# KiCad board gf-ace-boards.kicad_pcb

Outline 76.62 x 36.45 mm; copper layers: Top, Bottom. Coordinates in mm from the lower left corner of the outline.
Outline path: circle c9.27,6.1 r1.37 ; circle c11.94,30.35 r1.91 ; circle c24.13,32.64 r1.31 ; circle c39.24,28.45 r2.64 ; circle c57.28,12.32 r2.54 ; circle c57.66,27.69 r1.25 ; circle c62.36,2.16 r1.3 ; 0,15.62 0,8.51 0.13,8.13 0.51,7.75 1.65,7.24 2.41,7.11 3.05,6.98 3.18,6.6 3.3,5.84 3.56,5.33 3.94,4.83 4.57,4.32 55.37,3.68 55.63,3.81 55.75,4.06 55.75,8.89 55.88,9.14 56.13,9.27 59.58,9.27 59.81,9.21 60.06,9.09 60.16,9 60.2,8.89 60.2,0.63 60.33,0.38 60.58,0.13 60.96,0 69.34,0 69.72,0.13 69.98,0.38 69.98,3.3 70.23,3.56 70.61,3.81 71.03,3.88 75.35,3.88 75.81,4.08 76.15,4.31 76.4,4.62 76.58,5.01 76.62,5.43 76.62,28.53 76.2,29.21 75.44,29.84 74.55,30.1 51.05,30.1 51.05,34.92 50.93,35.31 50.67,35.69 50.42,35.94 50.04,36.19 49.73,36.34 49.28,36.45 37.21,36.45 37.21,33.91 35.31,33.91 35.31,36.45 17.91,36.45 16.76,35.18 16.38,33.53 15.62,33.02 14.73,32.64 13.46,32.89 12.83,33.53 11.94,33.65 3.05,27.43 0,15.62

## Placement (name value [footprint] x y rotation side)
C3  C  [C_0402_1005Metric]  34.29 8.89 180 top
C4  C  [C_0402_1005Metric]  34.29 6.86 180 top
C5  C  [C_0402_1005Metric]  34.29 11.94 180 top
C6  C  [C_0402_1005Metric]  34.29 13.97 180 top
C7  C  [C_0402_1005Metric]  34.29 16 180 top
C8  C  [C_0402_1005Metric]  34.19 20.07 180 top
C9  C  [C_0402_1005Metric]  34.23 18.02 180 top
C20  10uF  [C_0402_1005Metric]  17.65 20.7 0 bottom
C21  10uF  [C_0402_1005Metric]  17.65 22.73 180 bottom
R8  49r  [R_0402_1005Metric]  17.65 23.75 0 bottom
R9  49r  [R_0402_1005Metric]  17.65 21.72 0 bottom
R12  49r  [R_0402_1005Metric]  34.29 14.99 0 top
R14  49r  [R_0402_1005Metric]  34.29 12.95 0 top
R16  49r  [R_0402_1005Metric]  34.29 10.92 0 top
R17  49r  [R_0402_1005Metric]  34.22 19.03 0 top
R18  49r  [R_0402_1005Metric]  34.29 7.87 0 top
R19  49r  [R_0402_1005Metric]  34.29 17.02 0 top
R20  49r  [R_0402_1005Metric]  34.29 9.91 0 top
SW1  A  [membrane_contact]  18.03 28.07 0 top
SW2  B  [membrane_contact]  26.92 19.3 0 top
SW3  X  [membrane_contact]  9.4 19.43 0 top
SW4  Y  [membrane_contact]  18.08 10.62 0 top
SW5  START  [membrane_contact]  68.88 11.13 0 top
SW6  BUMPER  [TA232WVTR_NEW]  5.46 22.35 75 top
SW7  SELECT  [membrane_contact]  69.04 23.19 0 top
U1  SS39ET  [SOT95P280X140-3N]  12.17 21.21 180 bottom

## Library data of the parts
C3-C9 C20 C21 = -: Description: Unpolarized capacitor; ki_fp_filters: C_*
R8 R9 R12 R14 R16-R20 = -: Description: Resistor; ki_fp_filters: R_*
SW1-SW7 = -: Description: Push button switch, generic, two pins
U1 = -: Datasheet: https://sensing.honeywell.com/index.php?ci_id=50359; Description: Analog Hall Sensor SOT23; Height: 1.4; Mouser Part Number: 785-SS39ET; Mouser Price/Stock: https://www.mouser.co.uk/ProductDetail/Honeywell/SS39ET?qs=JeAkOuORR2XTjFIvahnwWg%3D%3D; Manufacturer_Name: Honeywell

## Footprints (pads in the part's own frame, mm; a bottom-side part is the same pattern mirrored in y, then rotated)
C_0402_1005Metric
  rrect 0.56x0.62 smd: 1(-0.48,0) 2(0.48,0)
membrane_contact
  round 1 smd: 1(0.914,1.321) 2(1.676,0) 3(0.559,-1.727) 4(-0.813,-1.727) 5(-0.711,1.372)
R_0402_1005Metric
  rrect 0.54x0.64 smd: 1(-0.51,0) 2(0.51,0)
SOT95P280X140-3N
  rect 1.2x0.6 smd: 1(-1.25,0.95) 2(-1.25,-0.95) 3(1.25,0)
TA232WVTR_NEW
  round 0.95 hole 0.95 unplated: (-1.74,1.66) (1.7,1.75)
  rect 1.565x1.61 smd: 1(2.57,-0.07)
  rect 1.56x1.61 smd: 2(-2.59,-0.03)
  rect 1.96x1.015 smd: MP1(3.73,3.167)
  rect 2.25x1.035 smd: MP2(-3.885,3.158)

## Nets
+3V3: R8.2
GND: C3.1 C4.1 C5.1 C6.1 C7.1 C8.1 C9.1 C20.2 C21.1 U1.3
PIN5: R9.2
Net-(U1-OUT): C20.1 R9.1 U1.2
Net-(U1-V+): C21.2 R8.1 U1.1

Pads without a net: C3 2; C4 2; C5 2; C6 2; C7 2; C8 2; C9 2; R12 1 2; R14 1 2; R16 1 2; R17 1 2; R18 1 2; R19 1 2; R20 1 2; SW1 1 2 3 4 5; SW2 1 2 3 4 5; SW3 1 2 3 4 5; SW4 1 2 3 4 5; SW5 1 2 3 4 5; SW6 1 2 MP1 MP2; SW7 1 2 3 4 5

## Routing (per net, layer and track width the routed paths; a pad name or vN(x,y) marks a point on that pad's centre or on a via; arc(x,y) is an arc through that point)
Net-(U1-OUT): length 5
  Bottom w0.2: U1.2 16.73,20.26 C20.1 17.17,21.69 R9.1
Net-(U1-V+): length 5.4
  Bottom w0.2: U1.1 15.55,22.16 R8.1 17.17,23.72 C21.2

## Copper pours and planes (outline as drawn; the poured copper is in the pictures)
GND on Top, Bottom: -7.49,40.26 79.5,40.26 79.76,-2.92 -6.6,1.4
